# Altium PCB CH565W-R0.PcbDoc (part 1 of 5) (continued)
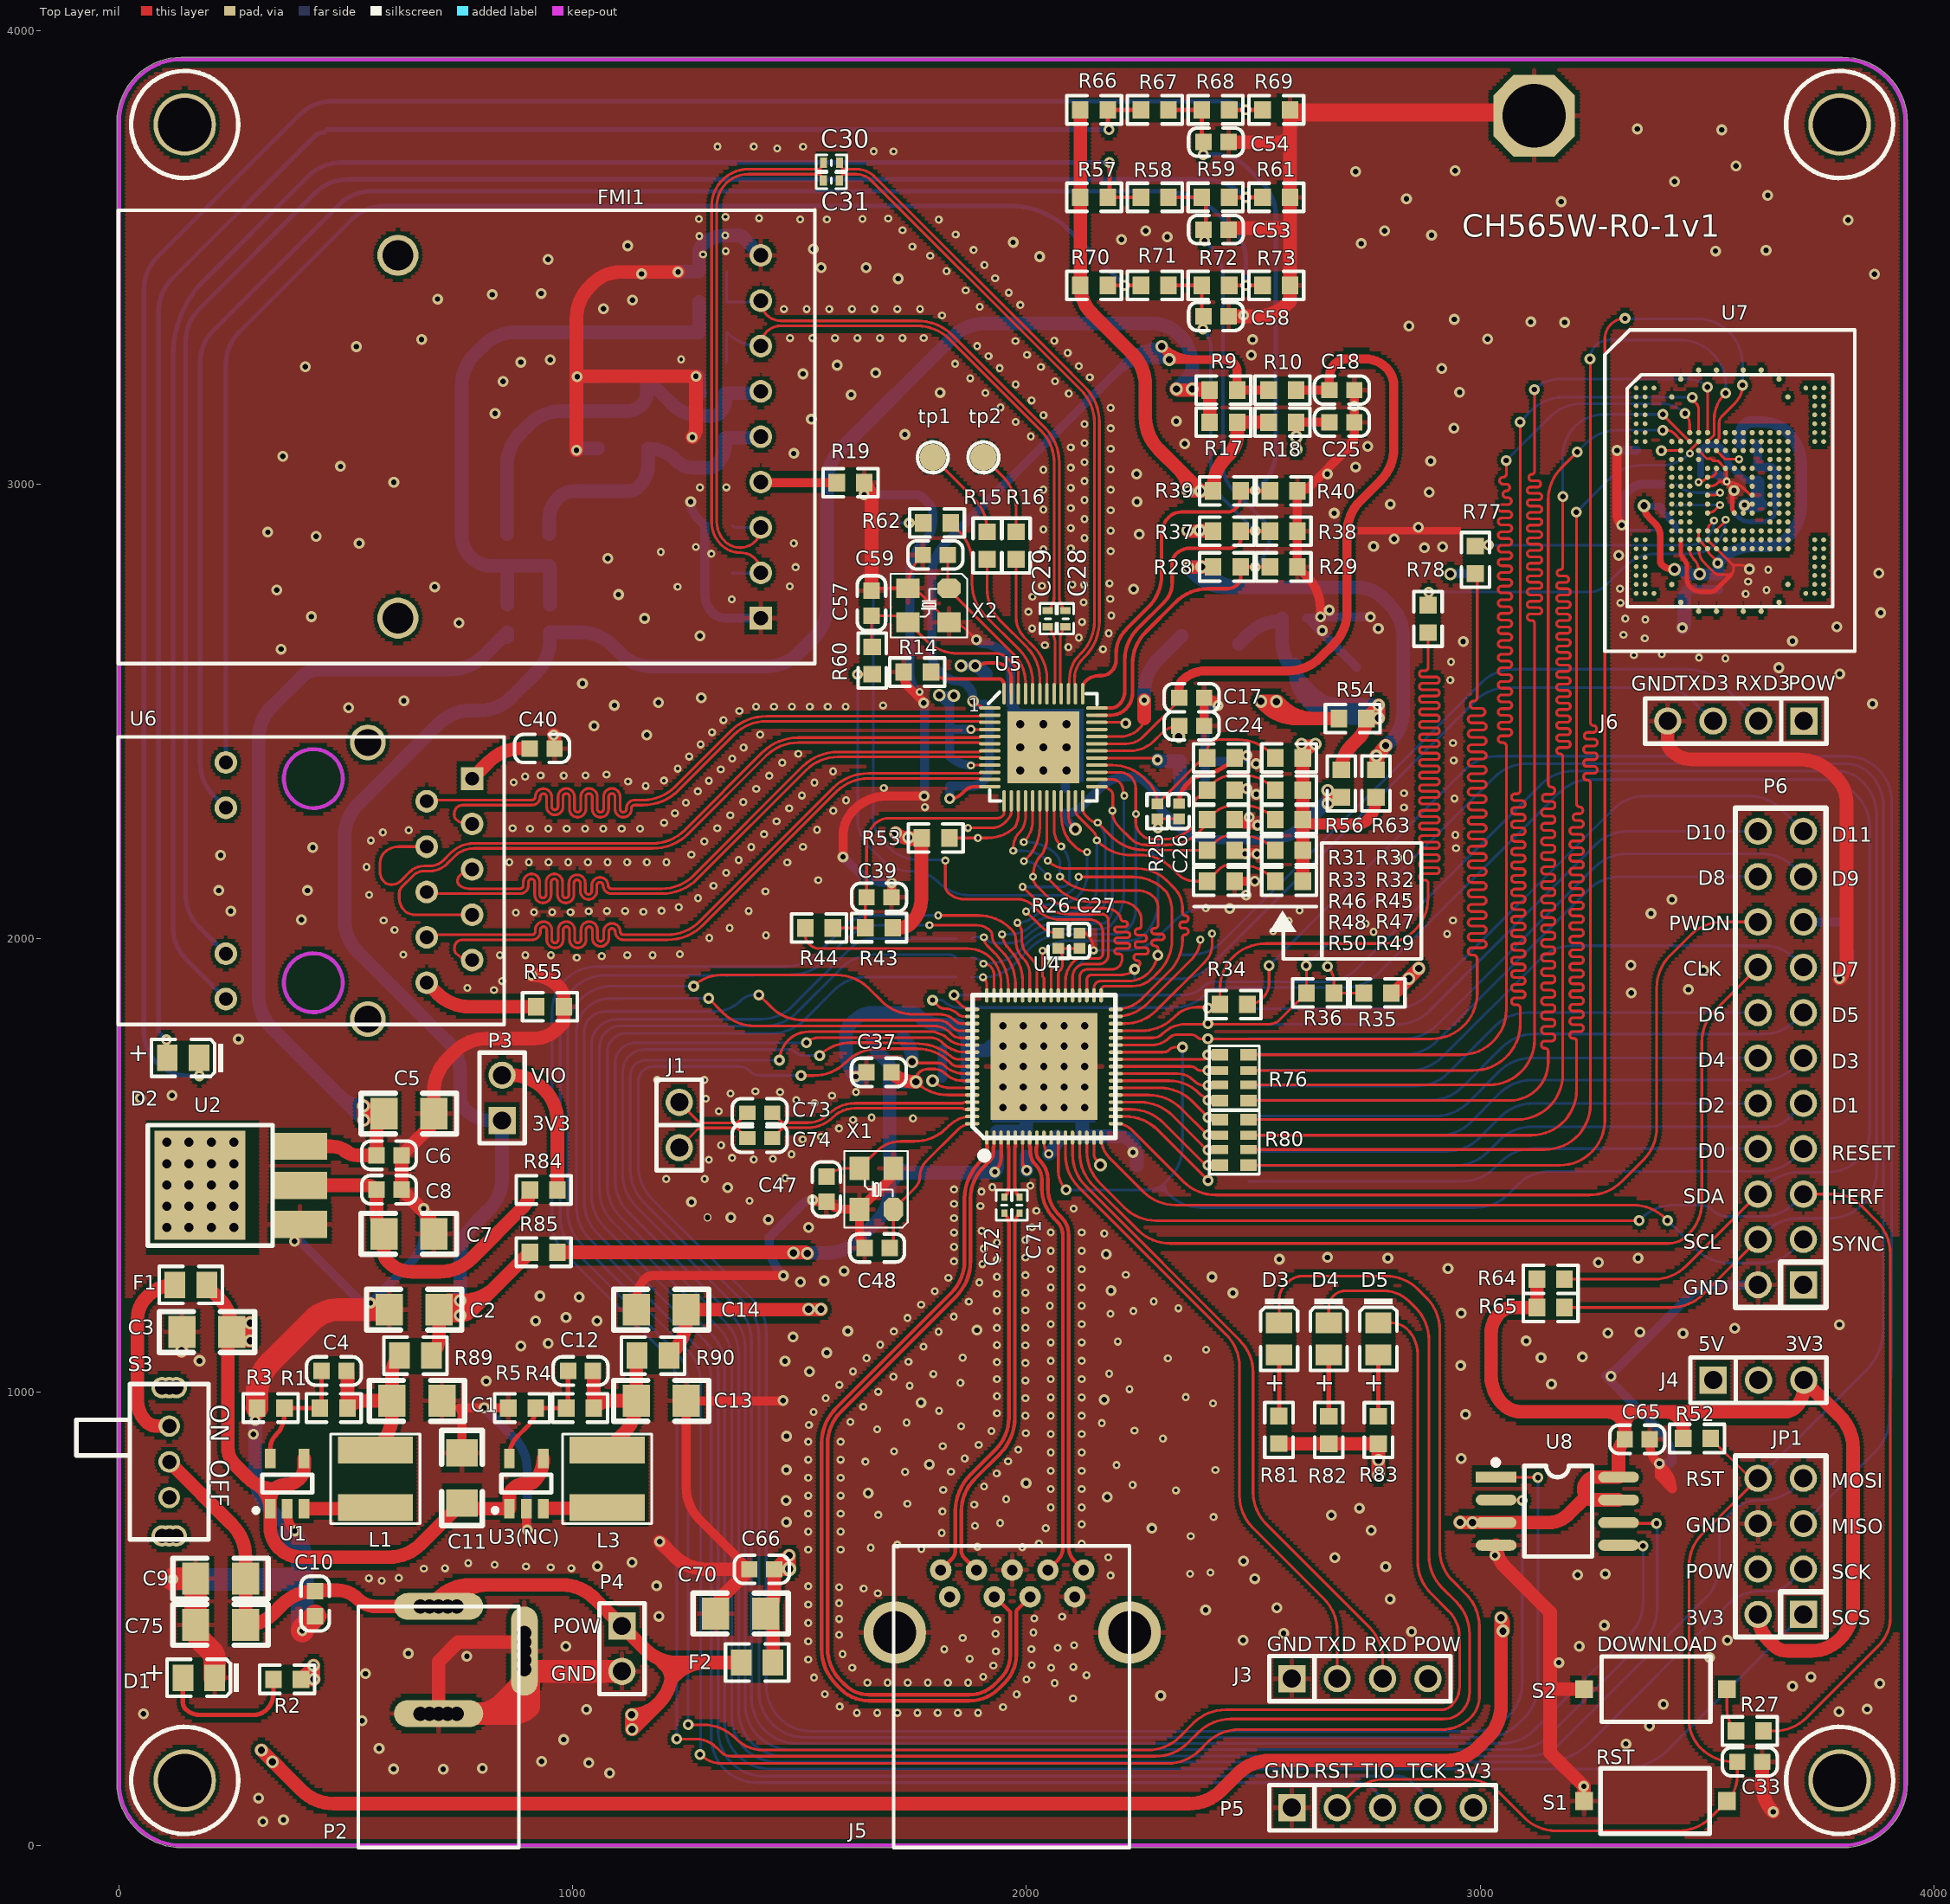
[diagram p0: Top Layer view]
## Footprints (in the part's own frame and the unit in brackets; to place one, negate y for a bottom-side part, rotate by r counter-clockwise, add the part's x,y. Pads: shape width x height; smd on the part's side, far side on the other; paste and mask are expansions set on the pad) (continued)
  round 0.27 smd: ""(-2,-9) ""(-2,-8.5) ""(-2,-8) ""(-2,-7.5) ""(-2,-7) ""(-2,-6.5) ""(-2,-6) ""(-2,-0.5) ""(-2,0) ""(-2,0.5) ""(-2,1) ""(-2,1.5) ""(-2,2) ""(-2,2.5) ""(-1.5,-6) ""(-1.5,-9) ""(-1.5,-8.5) ""(-1.5,-8) ""(-1.5,-7.5) ""(-1.5,-7) ""(-1.5,-6.5) ""(-1.5,-0.5) ""(-1.5,0) ""(-1.5,0.5) ""(-1.5,1) ""(-1.5,1.5) ""(-1.5,2) ""(-1.5,2.5) ""(-1,-9) ""(-1,2.5) ""(7.5,-9) ""(7.5,2.5) ""(8,-9) ""(8,-8.5) ""(8,-8) ""(8,-7.5) ""(8,-7) ""(8,-6.5) ""(8,-6) ""(8,-0.5) ""(8,0) ""(8,0.5) ""(8,1) ""(8,1.5) ""(8,2) ""(8,2.5) ""(8.5,-9) ""(8.5,-8.5) ""(8.5,-8) ""(8.5,-7.5) ""(8.5,-7) ""(8.5,-6.5) ""(8.5,-6) ""(8.5,-0.5) ""(8.5,0) ""(8.5,0.5) ""(8.5,1) ""(8.5,1.5) ""(8.5,2) ""(8.5,2.5)
  silkscreen extent -3.76,-12.25 10.25,5.75

## Part data
C1 C2 C7 C13 C14: library part cap, "Capacitor"
C3 C4 C5 C6 C8 C9 C10 C11 C12 C15 C16 C17 C18 C19 C20 C21 C22 C23 C24 C25 C26 C27 C28 C29 C30 C31 C32 C33 C34 C35 C36 C37 C38 C39 C40 C41 C42 C43 C44 C45 C46 C47 C48 C49 C50 C51 C52 C53 C54 C55 C56 C57 C58 C59 C60 C62 C63 C64 C65 C66 C68 C69 C70 C71 C72 C73 C74 C75: library part CAP, "Capacitor"
  C6 C8 C10 C15 C16 C17 C23 C24 C28 C29 C30 C31 C32 C33 C34 C36 C37 C39 C40 C41 C42 C43 C45 C46 C49 C50 C51 C52 C53 C54 C55 C58 C62 C63 C64 C65 C66 C68 C69 C71 C72: 容值=100nF
  C9 C75: 容值=33uF
C61 C67: library part CAPACITOR, "Capacitor"
D1: "Typical RED GaAs LED", PackageDescription="LED; 2 Leads"
D2 D4: library part "0805 蓝灯", "发光二极管"
D3: library part "0805 翠绿", "发光二极管"
D5: library part "0805 黄灯", "发光二极管"
F1 F2: library part FUSE1, "Fuse"
  F1: 额定电流=1A
FMI1: library part PT8351
J1: library part CON2, "Connector"
J3 J4 J6: "Connector"
J5: library part USB-AF3.0-90卷
L1 L3 L7: library part INDUCTOR
  L1: 感值=3.3uH
L5 L6: library part Inductor, "Inductor"
P3 P4: "Header, 2-Pin", Publisher="Altium Limited"
  P3: LatestRevisionDate=17-Jul-2002, LatestRevisionNote="Re-released for DXP Platform."
P5: "Header, 5-Pin", Publisher="Altium Limited"
P6: "Header, 11-Pin, Dual row", LatestRevisionDate=17-Jul-2002, LatestRevisionNote="Re-released for DXP Platform.", Publisher="Altium Limited"
R1 R2 R3 R4 R5 R6 R7 R8 R9 R10 R11 R12 R13 R14 R15 R16 R17 R18 R19 R23 R24 R27 R28 R29 R30 R31 R32 R33 R34 R35 R36 R37 R38 R39 R40 R43 R44 R45 R46 R47 R48 R49 R50 R52 R53 R54 R55 R56 R57 R58 R59 R60 R61 R62 R63 R64 R65 R66 R67 R68 R69 R70 R71 R72 R73 R81 R82 R83 R84 R88 R89 R90: library part Res
  R14 R36: 阻值=NC(0Ω)
  R35: 阻值=4.7K
R20 R21 R22 R25 R26 R85 R86 R87: library part Res2, "Resistor", PackageDescription="Axial Device, Thru-Hole; 2 Leads; 0.4 in Pin Spacing"
R41 R42 R51 R76 R80: library part R-8P4R, "贴片网络排阻"
R74 R75 R77 R78 R79: library part R
S1 S2: "Switch"
S3: "SPDT Subminiature Toggle Switch, Right Angle Mounting, Vertical Actuation"
tp1 tp2: "测试点"
U4: "32bit RISC-V MCU with USB 3.0 SS/HS & quad UART & AES & ETH & DVP"
U5: library part RTL8211FS(I), "千兆以太网物理层芯片"
U8: library part Pro89C.tmp_25F512_2
X1: library part 晶体
X2: library part XTAL-2P, "2脚无源脚晶振", BOM名称=2脚无源脚晶振, 学习资源=www.ooocke.com, 版权归属=源创客

## Free pads (board coordinates)
  round 137.8 hole 118.11: 0(144.36,143.12) 0(144.36,3793.89) 0(3792.65,3793.89) 0(3792.65,143.12)
  round 32 hole 20: ""(104.69,1361.92) ""(104.69,1408.95) ""(104.69,1455.97) ""(104.69,1502.99) ""(104.69,1550.01) ""(154.01,1361.92) ""(154.01,1408.95) ""(154.01,1455.97) ""(154.01,1502.99) ""(154.01,1550.01) ""(203.33,1361.92) ""(203.33,1408.95) ""(203.33,1455.97) ""(203.33,1502.99) ""(203.33,1550.01) ""(252.64,1361.92) ""(252.64,1408.95) ""(252.64,1455.97) ""(252.64,1502.99) ""(252.64,1550.01)
  rect 220x260 smd far side: ""(186.59,1454.12)
  oct 180x180 hole 140: ""(3119.01,3813.24)

## Via types
v1: diameter 17.72, hole 7.87, Top Layer to Bottom Layer, 556 vias
v2: diameter 24, hole 12, Top Layer to Bottom Layer, 366 vias
v3: diameter 28, hole 16, Top Layer to Bottom Layer, 63 vias
v4: diameter 17.72, hole 7.87, Top Layer to Bottom Layer, tented both sides, 8 vias
v5: diameter 24, hole 12, Top Layer to Bottom Layer, tented both sides, 5 vias
v6: diameter 26, hole 14, Top Layer to Bottom Layer, 2 vias
v7: diameter 19.68, hole 10, Top Layer to Bottom Layer, 1 vias
v8: diameter 20, hole 10, Top Layer to Bottom Layer, 1 vias
v9: diameter 28, hole 16, Top Layer to Bottom Layer, tented both sides, 1 vias
v10: diameter 32, hole 18, Top Layer to Bottom Layer, 1 vias
v11: diameter 17.72, hole 12, Top Layer to Bottom Layer, 1 vias

## Nets (pads, with @x,y where several pads share a name; then routed paths per layer and width w, separated by ;. In a path a pad name is that pad's centre, name@x,y a point inside that pad or via, vN(x,y) a via of type N, cw(c..) or ccw(c..) an arc to the next point about the centre after c; other vN are vias at no path point)
1V2: C14.2 C36.2 C38.2 C49.2 C50.2 R90.2 U4.6 U4.9 U4.63 | length 1926.6
  Top Layer w6: 1991.15,1500.63 1991.15,1560.14 U4.6@1991.35,1560.34 1991.35,1510.76 ; U4.9@2038.15,1559.9 U4.9@2038.59,1560.34 2038.59,1550.01 ccw(c2079.67,1550.01) v8@2050.63,1520.96 ; 1991.35,1510.76 ccw(c2022.85,1510.76) v5(2000.58,1488.49) 1991.35,1497.71 1991.35,1510.76
  Top Layer w6.07: v3(1793,1686) ccw(c1831.92,1724.92) 1831.92,1669.88 U4.63@1880.41,1669.88
  Top Layer w30: R90.2@1211.8,1079.72 1220.56,1088.48 ccw(c1149.85,1159.19) 1249.85,1159.19 C14.2@1249.85,1181.08 1519.59,1181.08 1546.13,1181.08 ccw(c1546.13,1181.85) v3(1546.9,1181.85)
  Layer 2 w20: v3(1519.59,1181.85) v3(1546.9,1181.85) 1570.22,1181.85 ccw(c1570.22,1271.76) 1633.8,1208.18 1763.71,1338.09 ccw(c1693,1408.8) 1793,1408.8 1793,1480.29 ; 1793,1571.94 1793,1564.52 ; v3(1793,1686) 1793,1564.52 ; v5(2000.58,1488.49) 1990.41,1498.65 ccw(c1919.7,1427.94) 1919.7,1527.94 1840.65,1527.94 ; 1793,1480.29 cw(c1840.65,1480.29) 1840.65,1527.94 ; 1793,1480.29 1793,1527.94 ; 1793,1527.94 1793,1564.52 ; 1793,1527.94 1829.58,1527.94 ; 1793,1564.52 ccw(c1829.58,1564.52) 1829.58,1527.94 ; 1829.58,1527.94 1840.65,1527.94
  Layer 2 w30: v5(2000.58,1488.49) ccw(c2000.58,1518.85) 2022.05,1497.38 v8(2049.13,1524.46)
  Bottom Layer w20: C36.2@1814.62,1691.49 C38.2@1814.62,1755.37
  Bottom Layer w30: C49.2@1999.49,1518.66 1999.49,1491.11 ccw(c2003.2,1491.11) v5(2000.58,1488.49) ; v8(2049.13,1524.46) 2054.09,1529.42 ccw(c2020.25,1563.26) C50.2@2068.11,1563.26
2V5: C7.2 C8.2 R84.1 U2.2 | length 737.7
  Top Layer w30: U2.2@398.07,1455.16 544.41,1455.16 cw(c544.41,1422.82) C8.2@567.28,1445.69 567.28,1387.32 ccw(c622.64,1387.32) C7.2@583.5,1348.18 583.5,1309.09 ccw(c616.29,1309.09) 593.1,1285.9 ccw(c644.76,1337.57) 644.76,1264.5 705.85,1264.5 ccw(c705.85,1364.5) 776.56,1293.79 889.39,1406.62 ccw(c850.99,1445.02) R84.1@905.3,1445.02
3V3: C2.2 C65.2 C67.1 C68.1 C69.1 J4.3 JP1.2 P3.1 P5.5 R2.2 R9.1 R13.1 R17.1 R52.2 R64.2 R65.2 R81.2 R82.2 R83.2 R85.1 R89.2 U7.M6 U7.N5 U7.T10 U7.U9 U8.3 U8.7 U8.8 | length 16449.5
  Top Layer w6: v4(3481.78,3005.34) cw(c3486.82,3002.07) 3486.82,3008.07 3491.86,3008.07 3499.89,3016.11 U7.N5@3501.47,3016.11 3502.58,3017.22 3512.48,3017.22 3520.04,3024.78 3520.04,3034.68 U7.M6@3521.15,3035.79 ; U7.U9@3580.21,2937.37 v5@3580.21,2948.61 ; v5@3580.21,2948.61 cw(c3589,2948.61) v5(3582.78,2954.83)
  Top Layer w30: v3(428.7,366.52) cw(c427.24,367.97) v3@427.24,365.91 ; R89.2@687.96,1079.72 ccw(c646.67,1121.01) 705.06,1121.01 C2.2@705.06,1181.08 ; R85.1@905.3,1307.5 828.43,1230.63 ; v3(2330.32,3210.65) ccw(c2336.04,3216.36) 2336.04,3208.28 R9.1@2403.9,3208.28 ; v3(2365.45,3210.79) 2397.84,3210.79 cw(c2397.84,3202.22) R9.1@2403.9,3208.28 ; R17.1@2403.9,3137.48 R9.1@2403.9,3208.28 ; R81.2@2557.01,885.2 R83.2@2775.75,885.2 v3@2775.75,817.11 ; v3(2956.04,712.11) ccw(c2957.33,713.39) 2957.33,711.58 U8.3@3035.36,711.58 3150.75,711.58 ccw(c3150.75,773.38) 3194.46,729.68 3231.96,767.18 cw(c3235.23,763.92) 3235.23,768.54 ; R64.2@3125.26,1248.07 R65.2@3125.26,1185.93 3072.71,1185.93 ccw(c3072.71,1143.91) 3042.99,1173.62 ccw(c3088.65,1127.97) 3024.08,1127.97 3024.08,1036.5 ccw(c3114.78,1036.5) 3050.65,972.37 ccw(c3090.21,1011.93) 3090.21,955.98 3279.7,955.98 ; U8.7@3305.36,761.58 3249.54,761.58 cw(c3249.54,779.32) 3236.99,766.77 3235.23,768.54 ; R52.2@3447.84,897.08 3447.84,917.53 ; JP1.2@3612.66,509.23 ccw(c3695.27,509.23) 3636.86,450.82 3645.59,442.08 ccw(c3678.06,474.56) 3678.06,428.64 3730.51,428.64 ccw(c3730.51,515.9) 3792.2,454.19 3793.02,455 ccw(c3722.31,525.71) 3822.31,525.71 3822.31,875.62 ccw(c3722.31,875.62) 3793.02,946.33 J4.3@3713.66,1025.68 3713.66,1008.86 cw(c3652.76,1008.86) 3695.83,965.79 cw(c3672.13,989.49) 3672.13,955.98 3472.25,955.98 ; v3@427.24,365.92 ccw(c425.11,368.05) 428.13,368.05 v3(428.13,396.51) cw(c420.76,396.51) 425.98,391.32 R2.2@400.58,365.91 v3@427.24,365.91 ; C2.2@705.06,1181.08 cw(c725.32,1181.08) 725.32,1201.34 v3(751.84,1201.34) 757.72,1201.34 ccw(c757.72,1301.34) 828.43,1230.63 ; C2.2@705.06,1181.08 ccw(c736.34,1212.36) 736.34,1168.12 v3(751.84,1168.12) ccw(c751.84,1202.09) 775.87,1178.07 808.16,1210.36 ; C2.2@705.06,1181.08 737.45,1181.08 ccw(c737.45,1281.08) 751.84,1182.12 ccw(c737.45,1281.08) 808.16,1210.36 ; 808.16,1210.36 828.43,1230.63 ; 3235.23,768.54 cw(c3251.27,784.58) 3228.58,784.58 cw(c3256.05,784.58) 3236.63,804 3238.48,805.85 cw(c3252.31,792.01) 3252.31,811.58 U8.8@3305.36,811.58 3305.36,862.12 cw(c3352.04,862.12) C65.2@3319.03,895.12 3319.03,916.64 ; 3279.7,955.98 cw(c3279.7,916.64) 3319.03,916.64 ; 3279.7,955.98 3346.53,955.98 ; 3319.03,916.64 3319.03,925.21 cw(c3352.13,925.21) 3328.73,948.61 cw(c3346.53,930.81) 3346.53,955.98 ; 3346.53,955.98 3409.39,955.98 ; 3409.39,955.98 cw(c3409.39,917.53) 3447.84,917.53 ; 3409.39,955.98 3472.25,955.98 ; 3447.84,917.53 3447.84,931.57 ; 3447.84,931.57 cw(c3472.25,931.57) 3472.25,955.98 ; 3447.84,931.57 3447.84,933.16 cw(c3469.54,933.16) 3454.2,948.5 cw(c3472.25,930.45) 3472.25,955.98
  Layer 2 w30: v3@738.25,1168.52 534.82,965.09 ccw(c605.53,894.38) 505.53,894.38 505.53,880.38 ; v3(2330.32,3210.65) 2330.47,3210.79 v3(2365.45,3210.79) 2496.32,3210.79 ccw(c2496.32,3310.79) 2567.03,3240.08 2739.49,3412.54 cw(c2810.2,3341.82) 2810.2,3441.82 3540.1,3441.82 cw(c3540.1,3341.82) 3610.81,3412.54 3648.75,3374.6 cw(c3578.04,3303.89) 3678.04,3303.89 3678.04,3062.14 cw(c3578.04,3062.14) 3648.75,2991.43 3632.91,2975.6 cw(c3582.78,3025.73) v5(3582.78,2954.83) ; 2878.79,790.77 ccw(c2815.19,727.17) 2815.19,817.11 ; v3(2956.04,712.11) 2920.83,747.33 cw(c2923.23,749.73) 2919.83,749.73 ; JP1.2@3612.66,509.23 3612.66,162.58 cw(c3548.79,162.58) 3593.95,117.41 3588.94,112.4 cw(c3518.23,183.11) 3518.23,83.11 P5.5@2985.09,83.11 2985.09,108.35 ccw(c2949.52,108.35) 2974.67,133.5 2968.33,139.84 ccw(c2897.62,69.13) 2897.62,169.13 2465.66,169.13 ccw(c2465.66,69.13) 2394.95,139.84 2340.91,85.8 cw(c2270.2,156.51) 2270.2,56.51 635.13,56.51 cw(c635.13,156.51) 564.41,85.8 456.15,194.06 cw(c523.81,261.72) 428.13,261.72 428.13,324.53 ; 428.13,324.53 cw(c528.13,324.53) 457.42,395.24 ; 428.13,324.53 v3@428.13,367.89 ; v3@428.13,367.89 ccw(c430.07,367.89) v3(428.7,366.52) 457.42,395.24 ; v3@428.13,367.89 v3(428.13,396.51) 476.24,444.63 ccw(c405.53,515.34) 505.53,515.34 ; 457.42,395.24 476.24,414.06 ccw(c405.53,484.77) 505.53,484.77 505.53,515.34 ; 505.53,515.34 505.53,880.38 ; 505.53,880.38 cw(c605.53,880.38) 534.82,951.09 v3(751.84,1168.12) 751.84,1182.12 ; v3@738.3,1168.57 ccw(c705.44,1201.34) v3(751.84,1201.34) ; v3@738.3,1168.57 ccw(c705.44,1201.34) v3(751.84,1201.34) ; v3@738.3,1168.57 751.84,1182.12 ; 751.84,1182.12 v3(751.84,1201.34) ; 2776,833.06 2776.68,833.06 cw(c2776.68,778.6) 2815.19,817.11 ; 2776,833.06 2776,817.23 v3(2775.88,817.11) 2815.19,817.11 ; 2776,833.06 v3(2776,848.9) 2779.24,848.9 cw(c2779.24,748.9) 2849.95,819.61 2919.83,749.73 ; 2919.83,749.73 2940.42,729.13 ccw(c2983.39,772.1) v3@2958.19,716.81 ; v3@2958.19,716.81 ccw(c2971.4,730.02) 2971.4,711.34 v3(2983.39,711.34) cw(c2983.39,772.1) v3@2958.19,716.81
  Bottom Layer w15: C67.1@3486.52,3021.86 3486.52,3064.43 cw(c3512.04,3064.43) 3494,3082.48 cw(c3505.7,3070.78) 3505.7,3087.32 3514.38,3087.32 cw(c3514.38,3061.32) 3532.77,3079.71 3538.02,3074.45 cw(c3526.21,3062.63) 3542.92,3062.63 3542.92,3059.96 ccw(c3566.55,3059.96) 3549.84,3043.25 3571.45,3021.64 ccw(c3611.87,3062.07) C69.1@3611.87,3004.9
  Bottom Layer w30: v3(751.84,1168.12) v3(751.84,1201.34) 751.84,1297.11 cw(c851.84,1297.11) 781.13,1367.82 814.68,1401.37 ccw(c743.97,1472.08) 843.97,1472.08 P3.1@843.97,1597.92 821.06,1597.92 cw(c821.06,1679.02) 763.71,1621.67 cw(c792.35,1650.31) 751.84,1650.31 751.84,1702.51 ccw(c651.84,1702.51) 722.55,1773.22 526.23,1969.55 cw(c596.94,2040.26) 496.94,2040.26 496.94,2224.13 cw(c596.94,2224.13) 526.23,2294.84 704.05,2472.66 cw(c774.76,2401.95) 774.76,2501.95 793.96,2501.95 ccw(c793.96,2601.95) 864.67,2531.24 920.51,2587.08 ccw(c849.8,2657.79) 949.8,2657.79 R13.1@949.8,2674.67 1016.51,2674.67 cw(c1016.51,2574.67) 1087.22,2645.38 1106.42,2626.18 ccw(c1171.66,2691.42) 1171.66,2599.16 1427.09,2599.16 ccw(c1427.09,2699.16) 1497.8,2628.45 1530.92,2661.56 ccw(c1460.21,2732.27) 1560.21,2732.27 1560.21,3006.08 cw(c1660.21,3006.08) 1589.5,3076.79 1838.81,3326.1 cw(c1909.52,3255.39) 1909.52,3355.39 2277.01,3355.39 cw(c2277.01,3270.61) 2336.96,3330.56 cw(c2268.17,3261.77) 2365.45,3261.77 ; v5(3582.78,2954.83) 3613.39,2954.83 ccw(c3613.39,2961.21) C68.1@3617.9,2956.7 cw(c3632.46,2971.26) 3611.87,2971.26 C69.1@3611.87,3004.9 ; 2365.45,3261.77 cw(c2326.82,3261.77) 2354.13,3234.46 v3(2330.32,3210.65) 2365.3,3210.65 v3(2365.45,3210.79) 2365.45,3261.77
3X1-IN: C48.2 U4.68 X1.1 | length 353.8
  Top Layer w6.07: C48.2@1698.26,1317 ccw(c1678.14,1337.12) 1706.6,1337.12 X1.1@1706.6,1402.13 1754.91,1450.44 ccw(c1731.17,1474.18) 1764.74,1474.18 cw(c1812.51,1474.18) 1778.73,1507.95 1848.84,1578.06 cw(c1880.41,1546.48) U4.68@1880.41,1591.14
3X1-OUT: C47.1 U4.67 X1.3 | length 363.1
  Top Layer w6.07: C47.1@1558.97,1474.18 cw(c1603.64,1429.51) 1603.64,1492.68 X1.3@1631.8,1492.68 1668.59,1529.48 cw(c1722.97,1475.1) 1722.97,1552 1753.22,1552 ccw(c1753.22,1652) 1823.93,1581.29 1828.94,1586.3 cw(c1878.64,1536.59) 1878.64,1606.89 U4.67@1880.41,1606.89
5V: C3.2 C5.2 C6.2 C11.2 F1.2 J4.1 R12.1 U1.1 U1.4 U2.3 U3(NC).1 U3(NC).4 | length 9657.1
  Top Layer w30: F1.2@190.92,1235.6 219.03,1207.5 cw(c148.32,1136.78) C3.2@248.32,1136.78 ; v3(313.43,209.71) 368,155.15 368.27,155.15 ; v3@338.44,184.98 368.27,155.15 ; U2.3@398.07,1541.16 465.13,1541.16 cw(c465.13,1475.33) 492.72,1535.1 ; U1.4@407.67,852.63 407.67,833.28 cw(c373.53,833.28) 397.67,809.13 394.81,806.27 cw(c368.36,832.71) 368.36,795.32 366.07,795.32 ccw(c366.07,762.44) 342.83,785.69 ; 934.8,852.58 cw(c862.54,852.58) 913.63,801.48 cw(c901.43,813.69) 901.43,796.43 891.05,796.43 ccw(c891.05,765.5) 869.19,787.38 864.76,782.94 ccw(c876.26,771.44) 860,771.44 860,742.39 786.07,742.39 cw(c786.07,785.48) C11.2@755.6,755.01 665.33,664.74 cw(c594.62,735.45) 594.62,635.45 400.69,635.45 cw(c400.69,704.73) 351.7,655.74 cw(c397.17,701.21) 332.87,701.21 U1.1@332.87,742.39 ; v3(3050.32,472.54) 3050.32,492.23 ccw(c3036.78,492.23) v3(3046.36,501.81) 3046.36,308.56 cw(c2946.36,308.56) 3017.07,237.84 2995.64,216.41 cw(c2924.93,287.13) 2924.93,187.13 2536.81,187.13 ccw(c2536.81,87.13) 2466.1,157.84 2429.37,121.11 cw(c2358.66,191.82) 2358.66,91.82 473.02,91.82 cw(c473.02,191.82) 402.31,121.11 368.27,155.15 ; C3.2@248.32,1131.85 ccw(c248.32,1181.23) 283.24,1146.31 v3(288.72,1151.79) v3(288.72,1112.36) 249.61,1112.36 ccw(c249.61,1110.54) 248.32,1111.83 C3.2@248.32,1131.85 ; C3.2@248.32,1131.85 C3.2@248.32,1136.78 ; C3.2@248.32,1136.78 ccw(c269.67,1115.43) 239.47,1115.43 239.47,876.44 ccw(c291.62,876.44) 254.69,839.62 ; 254.69,839.62 ccw(c291.62,876.44) 254.75,839.56 ; 254.69,839.62 cw(c206.75,791.56) 254.75,839.56 ; 254.75,839.56 284.44,809.87 ccw(c342.83,868.25) 308.9,792.98 ; 308.9,792.98 ccw(c342.83,868.25) 342.83,785.69 ; 308.9,792.98 314.05,787.83 cw(c268.6,742.39) U1.1@332.87,742.39 ; U1.1@332.87,742.39 332.87,761.65 cw(c366.87,761.65) 342.83,785.69 ; 492.72,1535.1 ccw(c526.08,1568.46) 508.86,1524.54 ; 492.72,1535.1 cw(c465.13,1475.33) 508.86,1524.54 ; 508.86,1524.54 ccw(c526.08,1568.46) 518.61,1521.88 ccw(c526.08,1568.46) 526.08,1521.29 C6.2@567.28,1521.29 567.28,1574.17 cw(c622.64,1574.17) C5.2@583.5,1613.32 C5.2@578.46,1613.32 ; C5.2@578.46,1613.32 cw(c578.46,1669.8) v3(538.53,1629.86) cw(c536.96,1628.29) 539.17,1628.29 v3(539.17,1599.22) cw(c573.21,1565.19) 573.21,1613.32 C5.2@578.46,1613.32
  Layer 2 w30: v3(337.7,184.24) 259.35,262.6 cw(c330.06,333.31) 230.06,333.31 230.06,1012.28 cw(c330.06,1012.28) 259.35,1082.99 v3(288.72,1112.36) ; v3(538.53,1629.86) 538.53,1443.02 cw(c438.53,1443.02) 509.24,1372.31 316.6,1179.68 ; v3(3046.36,501.81) v3@3050.32,505.78 ; J4.1@3513.66,1025.68 3490.67,1002.69 ccw(c3561.38,931.98) 3461.38,931.98 3461.38,679.35 cw(c3361.38,679.35) 3432.09,608.64 3388.18,564.73 cw(c3317.47,635.44) 3317.47,535.44 3137.14,535.44 ; v3(288.72,1112.36) cw(c383.92,1112.36) 316.57,1179.64 ; v3(288.72,1112.36) v3(288.72,1151.79) 316.57,1179.64 ; v3@3050.32,505.78 3050.7,506.15 cw(c3121.41,435.44) 3083.12,527.82 cw(c3121.41,435.44) 3121.41,535.44 3137.14,535.44 ; v3@3050.32,505.78 v3(3050.32,472.54) 3096.31,518.53 cw(c3137.14,477.69) 3137.14,535.44
  Bottom Layer w30: 307.01,1869.07 307.01,1872.81 ; 307.01,1897.5 307.01,1872.81 ; R12.1@855.52,2663.68 R12.1@855.52,2674.67 802.59,2621.75 cw(c731.88,2692.46) 731.88,2592.46 443.06,2592.46 ccw(c443.06,2533.01) 401.03,2575.05 336.3,2510.31 ccw(c407.01,2439.6) 307.01,2439.6 307.01,1872.81 ; 307.01,1872.81 ccw(c407.01,1872.81) 336.3,1802.1 487.33,1651.07 ; 487.33,1651.07 ccw(c538.53,1702.26) v3(538.53,1629.86) 538.53,1600.79 ccw(c540.74,1600.79) v3(539.17,1599.22) 487.33,1651.07
AVDD10: C41.2 C42.2 C43.2 R54.2 U5.4 U5.9 U5.47 | length 2134.4
  Top Layer w6: v1@1877.48,2381.42 U5.9@1919.13,2381.42 ; v7(1877.48,2460.36) 1877.68,2460.16 U5.4@1919.13,2460.16
  Top Layer w8: v3@1886.66,2591.64 1893.18,2598.15 cw(c1913.61,2577.72) 1913.61,2606.61 1932.42,2606.61 cw(c1932.42,2571.53) 1957.23,2596.34 cw(c1935.17,2574.28) 1966.37,2574.28 U5.47@1966.37,2538.9
  Top Layer w30: v3(2516.69,2522.02) v3@2516.92,2521.79 ; R54.2@2688.84,2484.02 2632.97,2484.02 ; v3@2516.92,2521.79 v3(2550.78,2521.79) 2553.78,2521.79 2562.26,2513.31 ccw(c2632.97,2584.02) 2632.97,2484.02 ; v3@2516.92,2521.79 2525.4,2513.31 ccw(c2596.11,2584.02) 2596.11,2484.02 2632.97,2484.02
  Layer 2 w20: 1822.64,2535.71 cw(c1861.34,2535.71) 1833.97,2563.07 1871.26,2600.36 ; 1822.64,2535.71 v3(1807.95,2535.71) cw(c1848.38,2535.71) 1819.79,2564.3 v3(1855.85,2600.36) 1871.26,2600.36 ; 1822.64,2535.71 1837.33,2535.71 cw(c1837.33,2532.29) v3(1839.74,2534.71) cw(c1884.95,2534.71) 1852.98,2566.68 v3(1886.66,2600.36) 1871.26,2600.36
  Layer 2 w30: v3(1886.66,2600.36) 2429.66,2600.36 ; v3@2537.69,2522.02 ccw(c2459.35,2522.02) 2516.53,2575.57 ; 2429.66,2600.36 cw(c2429.66,2504.14) 2497.69,2572.18 cw(c2451.83,2526.32) 2516.69,2526.32 v3(2516.69,2522.02) 2516.92,2521.79 v3(2550.78,2521.79) ccw(c2503.65,2521.79) 2536.98,2555.11 2516.53,2575.57 ; 2429.66,2600.36 2459.35,2600.36 cw(c2459.35,2522.02) 2516.53,2575.57
  Bottom Layer w20: v3(1855.85,2600.36) v3(1886.66,2600.36) ; v1@1877.48,2381.68 cw(c1877.48,2448.09) 1830.52,2401.13 C42.2@1830.37,2401.28 C43.2@1830.37,2467.37 ; v7(1877.48,2460.36) 1847.3,2460.36 cw(c1847.3,2484.29) C43.2@1830.37,2467.37 ; C43.2@1830.37,2467.37 1830.37,2512.09 ; 1830.37,2512.09 ccw(c1827.49,2512.09) 1829.53,2514.13 v3(1807.95,2535.71) ccw(c1810.36,2538.12) 1810.36,2534.71 v3(1839.74,2534.71) ccw(c1862.36,2512.09) 1830.37,2512.09
  Bottom Layer w30: v3(1886.66,2600.36) cw(c1886.66,2586.51) 1896.45,2596.3 C41.2@1910.29,2582.46
  other v1: 1877.48,2380.68
AVDD33: C15.2 C16.2 R9.2 R10.1 U5.1 U5.12 | length 2190.9
  Top Layer w6: v6(1882.06,2522.15) ccw(c1917.67,2557.76) 1917.67,2507.41 U5.1@1919.13,2507.41
  Top Layer w8: v2(1830.46,2307.55) ccw(c1830.46,2345.89) 1857.57,2318.78 1863.2,2324.41 cw(c1886.79,2300.81) 1886.79,2334.18 U5.12@1919.13,2334.18
  Top Layer w20: 2422.47,3275.57 2367.83,3275.57 ; 2456.64,3267.71 ccw(c2437.66,3248.7) 2437.66,3275.57 2367.83,3275.57 ; 2456.66,3267.7 cw(c2437.66,3248.7) 2464.53,3248.7 R9.2@2464.53,3208.28 R10.1@2533.95,3208.28 ; 2367.83,3275.57 cw(c2367.83,3374.24) v3(2298.06,3304.47) 2306.29,3296.23 cw(c2285.63,3275.57) v3(2314.86,3275.57) 2367.83,3275.57
  Bottom Layer w20: v2(1830.46,2307.55) 1830.37,2307.64 C16.2@1830.37,2335.2 1877.6,2335.2 ccw(c1877.6,2373.89) 1904.96,2346.53 ccw(c1872.53,2378.96) 1918.4,2378.96 1918.4,2496.2 ccw(c1890.72,2496.2) C15.2@1910.29,2515.77 1897.48,2515.77 cw(c1897.48,2537.57) v6(1882.06,2522.15) 1882.06,2530.38 ccw(c1847.34,2530.38) 1871.89,2554.93 1866.79,2560.03 ccw(c1850.57,2543.81) 1850.57,2566.75 cw(c1850.57,2618.23) 1814.17,2581.83 1805.37,2590.62 cw(c1838.2,2623.45) 1791.78,2623.45 1791.78,2799.72 cw(c1891.78,2799.72) 1821.07,2870.43 2196.91,3246.28 ; 2257.51,3287.29 2298.19,3287.29 cw(c2298.19,3275.37) 2306.59,3283.83 cw(c2327.29,3304.47) v3(2298.06,3304.47) 2296.52,3304.47 ccw(c2296.52,3204.47) 2238.71,3286.06 ; v3@2306.62,3283.8 v3(2314.86,3275.57) ; v3@2316.86,3275.57 v3(2314.86,3275.57) ; 2196.91,3246.28 cw(c2267.62,3175.57) 2267.62,3275.57 ; 2196.91,3246.28 2225.81,3275.18 cw(c2296.52,3204.47) 2238.71,3286.06 ; 2238.71,3286.06 ccw(c2264.06,3311.41) 2264.06,3275.57 2267.62,3275.57 ; 2267.62,3275.57 v3(2314.86,3275.57)
CK125M: R62.1 U5.44 | length 438.4
  Top Layer w6: R62.1@1833.08,2915.44 1850.71,2897.82 cw(c1779.99,2827.1) 1879.99,2827.1 1879.99,2781.41 ccw(c1979.99,2781.41) 1909.28,2710.7 1984.32,2635.66 cw(c1913.61,2564.95) 2013.61,2564.95 U5.44@2013.61,2538.9
CLK_1: R34.1 R41.8 R78.2 U4.31 | length 2702.9
  Top Layer w6: U4.31@2196.78,1795.86 2254.11,1795.86 ccw(c2254.11,1895.86) 2288.95,1802.13 ccw(c2254.11,1895.86) 2324.82,1825.15 2327.71,1828.03 cw(c2375.59,1780.15) 2375.59,1847.87 2426.43,1847.87 2426.43,1888.16 cw(c2526.43,1888.16) 2526.43,1988.16 2785.32,1988.16 ccw(c2785.32,2088.16) 2885.32,2088.16 2885.32,2118.59 2885.32,2121.59 ccw(c2879.02,2121.59) 2879.02,2127.89 2872.55,2127.89 cw(c2872.55,2134.19) 2866.25,2134.19 2866.25,2135.59 cw(c2872.55,2135.59) 2872.55,2141.89 2903.88,2141.89 ccw(c2903.88,2148.19) 2910.18,2148.19 2910.18,2149.59 ccw(c2903.88,2149.59) 2903.88,2155.89 2872.55,2155.89 cw(c2872.55,2162.19) 2866.25,2162.19 2866.25,2163.59 cw(c2872.55,2163.59) 2872.55,2169.89 2903.88,2169.89 ccw(c2903.88,2176.19) 2910.18,2176.19 2910.18,2177.59 ccw(c2903.88,2177.59) 2903.88,2183.89 2872.55,2183.89 cw(c2872.55,2190.19) 2866.25,2190.19 2866.25,2191.59 cw(c2872.55,2191.59) 2872.55,2197.89 2903.88,2197.89 ccw(c2903.88,2204.19) 2910.18,2204.19 2910.18,2205.59 ccw(c2903.88,2205.59) 2903.88,2211.89 2872.55,2211.89 cw(c2872.55,2218.19) 2866.25,2218.19 2866.25,2219.59 cw(c2872.55,2219.59) 2872.55,2225.89 2903.88,2225.89 ccw(c2903.88,2232.19) 2910.18,2232.19 2910.18,2233.59 ccw(c2903.88,2233.59) 2903.88,2239.89 2872.55,2239.89 cw(c2872.55,2246.19) 2866.25,2246.19 2866.25,2247.59 cw(c2872.55,2247.59) 2872.55,2253.89 2903.88,2253.89 ccw(c2903.88,2260.19) 2910.18,2260.19 2910.18,2261.59 ccw(c2903.88,2261.59) 2903.88,2267.89 2872.55,2267.89 cw(c2872.55,2274.19) 2866.25,2274.19 2866.25,2275.59 cw(c2872.55,2275.59) 2872.55,2281.89 2903.88,2281.89 ccw(c2903.88,2288.19) 2910.18,2288.19 2910.18,2289.59 ccw(c2903.88,2289.59) 2903.88,2295.89 2872.55,2295.89 cw(c2872.55,2302.19) 2866.25,2302.19 2866.25,2303.59 cw(c2872.55,2303.59) 2872.55,2309.89 2903.88,2309.89 ccw(c2903.88,2316.19) 2910.18,2316.19 2910.18,2317.59 ccw(c2903.88,2317.59) 2903.88,2323.89 2872.55,2323.89 cw(c2872.55,2330.19) 2866.25,2330.19 2866.25,2331.59 cw(c2872.55,2331.59) 2872.55,2337.89 2903.88,2337.89 ccw(c2903.88,2344.19) 2910.18,2344.19 2910.18,2345.59 ccw(c2903.88,2345.59) 2903.88,2351.89 2872.55,2351.89 cw(c2872.55,2358.19) 2866.25,2358.19 2866.25,2359.59 cw(c2872.55,2359.59) 2872.55,2365.89 2903.88,2365.89 ccw(c2903.88,2372.19) 2910.18,2372.19 2910.18,2373.59 ccw(c2903.88,2373.59) 2903.88,2379.89 2872.55,2379.89 cw(c2872.55,2386.19) 2866.25,2386.19 2866.25,2387.59 cw(c2872.55,2387.59) 2872.55,2393.89 2903.88,2393.89 ccw(c2903.88,2400.19) 2910.18,2400.19 2910.18,2401.59 ccw(c2903.88,2401.59) 2903.88,2407.89 2872.55,2407.89 cw(c2872.55,2414.19) 2866.25,2414.19 2866.25,2415.59 cw(c2872.55,2415.59) 2872.55,2421.89 2903.88,2421.89 ccw(c2903.88,2428.19) 2910.18,2428.19 2910.18,2429.59 ccw(c2903.88,2429.59) 2903.88,2435.89 2872.55,2435.89 cw(c2872.55,2442.19) 2866.25,2442.19 2866.25,2443.59 cw(c2872.55,2443.59) 2872.55,2449.89 2903.88,2449.89 ccw(c2903.88,2456.19) 2910.18,2456.19 2910.18,2457.59 ccw(c2903.88,2457.59) 2903.88,2463.89 2872.55,2463.89 cw(c2872.55,2470.19) 2866.25,2470.19 2866.25,2471.59 cw(c2872.55,2471.59) 2872.55,2477.89 2903.88,2477.89 ccw(c2903.88,2484.19) 2910.18,2484.19 2910.18,2485.59 ccw(c2903.88,2485.59) 2903.88,2491.89 2872.55,2491.89 cw(c2872.55,2498.19) 2866.25,2498.19 2866.25,2499.59 cw(c2872.55,2499.59) 2872.55,2505.89 2903.88,2505.89 ccw(c2903.88,2512.19) 2910.18,2512.19 2910.18,2513.59 ccw(c2903.88,2513.59) 2903.88,2519.89 2872.55,2519.89 cw(c2872.55,2526.19) 2866.25,2526.19 2866.25,2527.59 cw(c2872.55,2527.59) 2872.55,2533.89 2903.88,2533.89 ccw(c2903.88,2540.19) 2910.18,2540.19 2910.18,2541.59 ccw(c2903.88,2541.59) 2903.88,2547.89 2872.55,2547.89 cw(c2872.55,2554.19) 2866.25,2554.19 2866.25,2555.59 cw(c2872.55,2555.59) 2872.55,2561.89 2903.88,2561.89 ccw(c2903.88,2568.19) 2910.18,2568.19 2910.18,2569.59 ccw(c2903.88,2569.59) 2903.88,2575.89 2872.55,2575.89 cw(c2872.55,2582.19) 2866.25,2582.19 2866.25,2583.59 cw(c2872.55,2583.59) 2872.55,2589.89 2879.02,2589.89 ccw(c2879.02,2596.19) 2885.32,2596.19 2885.32,2618.32 R78.2@2885.32,2673.67
  other v2: 2399.96,1845.76